# KiCad board modern-keyboard.kicad_pcb (continued)
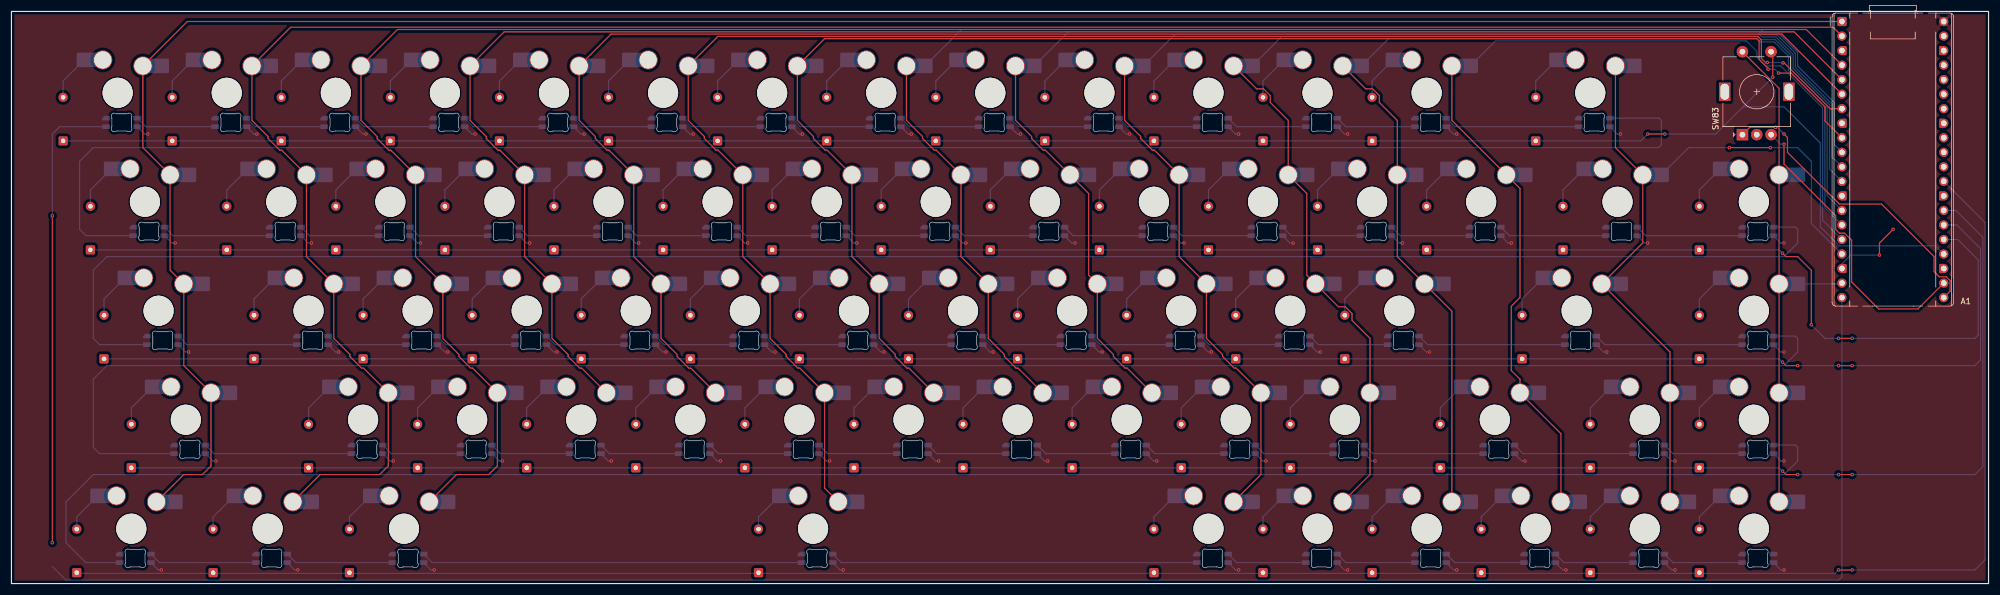
[diagram p0: board, top side]
## Nets
+3V3: A1.37
+5V: A1.40 LED1.1 LED2.1 LED3.1 LED4.1 LED5.1 LED6.1 LED7.1 LED8.1 LED9.1 LED10.1 LED11.1 LED12.1 LED13.1 LED14.1 LED15.1 LED16.1 LED17.1 LED18.1 LED19.1 LED20.1 LED21.1 LED22.1 LED23.1 LED24.1 LED25.1 LED26.1 LED27.1 LED28.1 LED29.1 LED30.1 LED31.1 LED32.1 LED33.1 LED34.1 LED35.1 LED36.1 LED37.1 LED38.1 LED39.1 LED40.1 LED41.1 LED42.1 LED43.1 LED44.1 LED45.1 LED46.1 LED47.1 LED48.1 LED49.1 LED50.1 LED51.1 LED52.1 LED53.1 LED54.1 LED55.1 LED56.1 LED57.1 LED58.1 LED59.1 LED60.1 LED61.1 LED62.1 LED63.1 LED64.1 LED65.1 LED66.1 LED67.1
GND: A1.3 A1.8 A1.13 A1.18 A1.23 A1.28 A1.38 LED1.4 LED2.4 LED3.4 LED4.4 LED5.4 LED6.4 LED7.4 LED8.4 LED9.4 LED10.4 LED11.4 LED12.4 LED13.4 LED14.4 LED15.4 LED16.4 LED17.4 LED18.4 LED19.4 LED20.4 LED21.4 LED22.4 LED23.4 LED24.4 LED25.4 LED26.4 LED27.4 LED28.4 LED29.4 LED30.4 LED31.4 LED32.4 LED33.4 LED34.4 LED35.4 LED36.4 LED37.4 LED38.4 LED39.4 LED40.4 LED41.4 LED42.4 LED43.4 LED44.4 LED45.4 LED46.4 LED47.4 LED48.4 LED49.4 LED50.4 LED51.4 LED52.4 LED53.4 LED54.4 LED55.4 LED56.4 LED57.4 LED58.4 LED59.4 LED60.4 LED61.4 LED62.4 LED63.4 LED64.4 LED65.4 LED66.4 LED67.4 SW83.C
Col 0: A1.1 SW1.1 SW15.1 SW30.1 SW44.1 SW58.1
Col 1: A1.2 SW2.1 SW16.1 SW31.1 SW45.1 SW59.1
Col 2: A1.4 SW3.1 SW17.1 SW32.1 SW46.1 SW60.1
Col 3: A1.5 SW4.1 SW18.1 SW33.1 SW47.1
Col 4: A1.6 SW5.1 SW19.1 SW34.1 SW48.1
Col 5: A1.7 SW6.1 SW20.1 SW35.1 SW49.1 SW61.1
Col 6: A1.9 SW7.1 SW21.1 SW36.1 SW50.1
Col 7: A1.10 SW8.1 SW22.1 SW37.1 SW51.1
Col 8: A1.11 SW9.1 SW23.1 SW38.1 SW52.1
Col 9: A1.12 SW10.1 SW24.1 SW39.1 SW53.1 SW62.1
Col 10: A1.14 SW11.1 SW25.1 SW40.1 SW54.1 SW63.1
Col 11: A1.15 SW12.1 SW26.1 SW41.1 SW64.1
Col 12: A1.16 SW13.1 SW27.1 SW55.1 SW65.1
Col 13: A1.17 SW14.1 SW28.1 SW42.1 SW56.1 SW66.1
Col 14: A1.19 SW29.1 SW43.1 SW57.1 SW67.1 SW83.S2
EC1A: A1.21 SW83.A
EC1B: A1.22 SW83.B
RGB: A1.20 LED1.3
Row 0: A1.24 D1.1 D2.1 D3.1 D4.1 D5.1 D6.1 D7.1 D8.1 D9.1 D10.1 D11.1 D12.1 D13.1 D14.1 SW83.S1
Row 1: A1.25 D15.1 D16.1 D17.1 D18.1 D19.1 D20.1 D21.1 D22.1 D23.1 D24.1 D25.1 D26.1 D27.1 D28.1 D29.1
Row 2: A1.26 D30.1 D31.1 D32.1 D33.1 D34.1 D35.1 D36.1 D37.1 D38.1 D39.1 D40.1 D41.1 D42.1 D43.1
Row 3: A1.27 D44.1 D45.1 D46.1 D47.1 D48.1 D49.1 D50.1 D51.1 D52.1 D53.1 D54.1 D55.1 D56.1 D57.1
Row 4: A1.29 D58.1 D59.1 D60.1 D61.1 D62.1 D63.1 D64.1 D65.1 D66.1 D67.1
Net-(D1-A): D1.2 SW1.2
Net-(D2-A): D2.2 SW2.2
Net-(D3-A): D3.2 SW3.2
Net-(D4-A): D4.2 SW4.2
Net-(D5-A): D5.2 SW5.2
Net-(D6-A): D6.2 SW6.2
Net-(D7-A): D7.2 SW7.2
Net-(D8-A): D8.2 SW8.2
Net-(D9-A): D9.2 SW9.2
Net-(D10-A): D10.2 SW10.2
Net-(D11-A): D11.2 SW11.2
Net-(D12-A): D12.2 SW12.2
Net-(D13-A): D13.2 SW13.2
Net-(D14-A): D14.2 SW14.2
Net-(D15-A): D15.2 SW15.2
Net-(D16-A): D16.2 SW16.2
Net-(D17-A): D17.2 SW17.2
Net-(D18-A): D18.2 SW18.2
Net-(D19-A): D19.2 SW19.2
Net-(D20-A): D20.2 SW20.2
Net-(D21-A): D21.2 SW21.2
Net-(D22-A): D22.2 SW22.2
Net-(D23-A): D23.2 SW23.2
Net-(D24-A): D24.2 SW24.2
Net-(D25-A): D25.2 SW25.2
Net-(D26-A): D26.2 SW26.2
Net-(D27-A): D27.2 SW27.2
Net-(D28-A): D28.2 SW28.2
Net-(D29-A): D29.2 SW29.2
Net-(D30-A): D30.2 SW30.2
Net-(D31-A): D31.2 SW31.2
Net-(D32-A): D32.2 SW32.2
Net-(D33-A): D33.2 SW33.2
Net-(D34-A): D34.2 SW34.2
Net-(D35-A): D35.2 SW35.2
Net-(D36-A): D36.2 SW36.2
Net-(D37-A): D37.2 SW37.2
Net-(D38-A): D38.2 SW38.2
Net-(D39-A): D39.2 SW39.2
Net-(D40-A): D40.2 SW40.2
Net-(D41-A): D41.2 SW41.2
Net-(D42-A): D42.2 SW42.2
Net-(D43-A): D43.2 SW43.2
Net-(D44-A): D44.2 SW44.2
Net-(D45-A): D45.2 SW45.2
Net-(D46-A): D46.2 SW46.2
Net-(D47-A): D47.2 SW47.2
Net-(D48-A): D48.2 SW48.2
Net-(D49-A): D49.2 SW49.2
Net-(D50-A): D50.2 SW50.2
Net-(D51-A): D51.2 SW51.2
Net-(D52-A): D52.2 SW52.2
Net-(D53-A): D53.2 SW53.2
Net-(D54-A): D54.2 SW54.2
Net-(D55-A): D55.2 SW55.2
Net-(D56-A): D56.2 SW56.2
Net-(D57-A): D57.2 SW57.2
Net-(D58-A): D58.2 SW58.2
Net-(D59-A): D59.2 SW59.2
Net-(D60-A): D60.2 SW60.2
Net-(D61-A): D61.2 SW61.2
Net-(D62-A): D62.2 SW62.2
Net-(D63-A): D63.2 SW63.2
Net-(D64-A): D64.2 SW64.2
Net-(D65-A): D65.2 SW65.2
Net-(D66-A): D66.2 SW66.2
Net-(D67-A): D67.2 SW67.2
Net-(LED1-DOUT): LED1.2 LED2.3
Net-(LED2-DOUT): LED2.2 LED3.3
Net-(LED3-DOUT): LED3.2 LED4.3
Net-(LED4-DOUT): LED4.2 LED5.3
Net-(LED5-DOUT): LED5.2 LED6.3
Net-(LED6-DOUT): LED6.2 LED7.3
Net-(LED7-DOUT): LED7.2 LED8.3
Net-(LED8-DOUT): LED8.2 LED9.3
Net-(LED10-DIN): LED9.2 LED10.3
Net-(LED10-DOUT): LED10.2 LED11.3
Net-(LED11-DOUT): LED11.2 LED12.3
Net-(LED12-DOUT): LED12.2 LED13.3
Net-(LED13-DOUT): LED13.2 LED14.3
Net-(LED14-DOUT): LED14.2 LED15.3
Net-(LED15-DOUT): LED15.2 LED16.3
Net-(LED16-DOUT): LED16.2 LED17.3
Net-(LED17-DOUT): LED17.2 LED18.3
Net-(LED18-DOUT): LED18.2 LED19.3
Net-(LED19-DOUT): LED19.2 LED20.3
Net-(LED20-DOUT): LED20.2 LED21.3
Net-(LED21-DOUT): LED21.2 LED22.3
Net-(LED22-DOUT): LED22.2 LED23.3
Net-(LED23-DOUT): LED23.2 LED24.3
Net-(LED24-DOUT): LED24.2 LED25.3
Net-(LED25-DOUT): LED25.2 LED26.3
Net-(LED26-DOUT): LED26.2 LED27.3
Net-(LED27-DOUT): LED27.2 LED28.3
Net-(LED28-DOUT): LED28.2 LED29.3
Net-(LED29-DOUT): LED29.2 LED30.3
Net-(LED30-DOUT): LED30.2 LED31.3
Net-(LED31-DOUT): LED31.2 LED32.3
Net-(LED32-DOUT): LED32.2 LED33.3
Net-(LED33-DOUT): LED33.2 LED34.3
Net-(LED34-DOUT): LED34.2 LED35.3
Net-(LED35-DOUT): LED35.2 LED36.3
Net-(LED36-DOUT): LED36.2 LED37.3
Net-(LED37-DOUT): LED37.2 LED38.3
Net-(LED38-DOUT): LED38.2 LED39.3
Net-(LED39-DOUT): LED39.2 LED40.3
Net-(LED40-DOUT): LED40.2 LED41.3
Net-(LED41-DOUT): LED41.2 LED42.3
Net-(LED42-DOUT): LED42.2 LED43.3
Net-(LED43-DOUT): LED43.2 LED44.3
Net-(LED44-DOUT): LED44.2 LED45.3
Net-(LED45-DOUT): LED45.2 LED46.3
Net-(LED46-DOUT): LED46.2 LED47.3
Net-(LED47-DOUT): LED47.2 LED48.3
Net-(LED48-DOUT): LED48.2 LED49.3
Net-(LED49-DOUT): LED49.2 LED50.3
Net-(LED50-DOUT): LED50.2 LED51.3
Net-(LED51-DOUT): LED51.2 LED52.3
Net-(LED52-DOUT): LED52.2 LED53.3
Net-(LED53-DOUT): LED53.2 LED54.3
Net-(LED54-DOUT): LED54.2 LED55.3
Net-(LED55-DOUT): LED55.2 LED56.3
Net-(LED56-DOUT): LED56.2 LED57.3
Net-(LED57-DOUT): LED57.2 LED58.3
Net-(LED58-DOUT): LED58.2 LED59.3
Net-(LED59-DOUT): LED59.2 LED60.3
Net-(LED60-DOUT): LED60.2 LED61.3
Net-(LED61-DOUT): LED61.2 LED62.3
Net-(LED62-DOUT): LED62.2 LED63.3
Net-(LED63-DOUT): LED63.2 LED64.3
Net-(LED64-DOUT): LED64.2 LED65.3
Net-(LED65-DOUT): LED65.2 LED66.3
Net-(LED66-DOUT): LED66.2 LED67.3

Pads without a net: A1 30 31 32 33 34 35 36 39; LED67 2; SW83 MP

## Via types
v1: diameter 0.6, hole 0.3, Top to Bottom, 97 vias

## Routing (per net, layer and track width the routed paths; a pad name or vN(x,y) marks a point on that pad's centre or on a via; arc(x,y) is an arc through that point)
+5V: length 159.1
  Bottom w0.2: v1(223.84,59.53) 223.27,59.53 LED25.1 ; LED37.1 170.89,40.48 v1(171.45,40.48) ; LED17.1 70.87,59.53 v1(71.44,59.53) ; LED22.1 166.12,59.53 v1(166.69,59.53) ; v1(128.59,59.53) 128.02,59.53 LED20.1 ; v1(157.16,78.58) 156.6,78.58 LED8.1 ; LED47.1 104.21,21.43 v1(104.77,21.43) ; v1(252.41,2.38) 251.85,2.38 LED64.1 ; LED16.1 51.82,59.53 v1(52.39,59.53) ; v1(290.51,2.38) 289.95,2.38 LED66.1 ; LED2.1 42.3,78.58 v1(42.86,78.58) ; v1(57.15,40.48) 56.59,40.48 LED31.1 ; v1(109.54,59.53) 108.97,59.53 LED19.1 ; v1(180.97,21.43) 180.41,21.43 179.13,22.71 ; v1(142.88,21.43) 142.31,21.43 LED49.1 ; v1(119.06,78.58) 118.5,78.58 LED6.1 ; v1(195.26,78.58) 194.7,78.58 LED10.1 ; v1(85.73,21.43) 85.16,21.43 LED46.1 ; v1(28.58,59.53) 28.01,59.53 LED15.1 ; LED1.1 23.25,78.58 v1(23.81,78.58) ; LED56.1 289.95,21.43 v1(290.51,21.43) ; LED21.1 147.07,59.53 v1(147.64,59.53) ; v1(247.65,40.48) 247.09,40.48 LED41.1 ; v1(123.83,21.43) 123.26,21.43 LED48.1 ; LED30.1 30.39,40.48 v1(30.96,40.48) ; LED45.1 66.11,21.43 v1(66.67,21.43) ; v1(161.93,21.43) 161.36,21.43 LED50.1 ; LED38.1 189.94,40.48 v1(190.5,40.48) ; v1(228.6,40.48) 228.04,40.48 LED40.1 ; v1(152.4,40.48) 151.84,40.48 LED36.1 ; v1(35.72,21.43) 35.16,21.43 LED44.1 ; v1(309.56,59.53) 309,59.53 LED29.1 ; v1(264.32,21.43) 263.75,21.43 LED55.1 ; LED59.1 49.44,2.38 v1(50.01,2.38) ; LED43.1 309,40.48 v1(309.56,40.48) ; v1(90.49,59.53) 89.92,59.53 LED18.1 ; LED52.1 199.46,21.43 v1(200.02,21.43) ; v1(214.31,2.38) 213.75,2.38 LED62.1 ; LED4.1 80.4,78.58 v1(80.96,78.58) ; v1(114.3,40.48) 113.74,40.48 LED34.1 ; LED13.1 251.85,78.58 v1(252.41,78.58) ; v1(138.11,78.58) 137.55,78.58 LED7.1 ; LED61.1 144.69,2.38 v1(145.26,2.38) ; LED33.1 94.69,40.48 v1(95.25,40.48) ; v1(233.36,78.58) 232.8,78.58 LED12.1 ; LED14.1 280.42,78.58 v1(280.99,78.58) ; v1(76.2,40.48) 75.64,40.48 LED32.1 ; LED28.1 285.19,59.53 v1(285.75,59.53) ; LED57.1 309,21.43 v1(309.56,21.43) ; LED24.1 204.22,59.53 v1(204.79,59.53) ; v1(176.21,78.58) 175.65,78.58 LED9.1 ; v1(271.46,2.38) 270.9,2.38 LED65.1 ; v1(185.74,59.53) 185.17,59.53 LED23.1 ; LED11.1 213.75,78.58 v1(214.31,78.58) ; LED60.1 73.26,2.38 v1(73.82,2.38) ; LED53.1 218.51,21.43 v1(219.07,21.43) ; v1(100.01,78.58) 99.45,78.58 LED5.1 ; LED58.1 25.63,2.38 v1(26.19,2.38) ; LED42.1 278.04,40.48 v1(278.61,40.48) ; v1(133.35,40.48) 132.79,40.48 LED35.1 ; LED63.1 232.8,2.38 v1(233.36,2.38) ; LED3.1 61.35,78.58 v1(61.91,78.58) ; LED27.1 261.37,59.53 v1(261.94,59.53) ; LED67.1 309,2.38 v1(309.56,2.38) ; v1(242.89,59.53) 242.32,59.53 LED26.1 ; LED54.1 237.56,21.43 v1(238.12,21.43) ; LED39.1 208.99,40.48 v1(209.55,40.48)
GND: length 13.5
  Top w0.2: v1(328.61,61.91) 326.23,59.53 v1(326.23,57.42)
  Bottom w0.2: A1.18 319.68,55.87 321.22,57.42 v1(326.23,57.42)
Col 0: length 386.9
  Top w0.2: SW58.1 30.09,19.05 33.34,19.05 34.86,20.57 SW44.1 30.09,38.1 SW30.1 27.71,54.77 SW15.1 22.95,76.2 SW1.1 30.71,98.25 A1.1
Col 1: length 380.6
  Top w0.2: SW59.1 53.91,19.05 64.29,19.05 65.81,20.57 SW45.1 61.48,37.67 61.14,37.67 59.1,39.71 59.1,40.05 56.29,42.86 SW31.1 51.52,57.15 SW16.1 47.19,75.77 46.85,75.77 44.81,77.81 44.81,78.15 42,80.96 SW2.1 48.77,97.25 318.13,97.25 A1.2
Col 2: length 358.5
  Top w0.2: SW60.1 77.72,19.05 83.34,19.05 84.86,20.57 SW46.1 80.53,37.67 80.19,37.67 78.15,39.71 78.15,40.05 75.34,42.86 SW32.1 70.57,57.15 SW17.1 66.24,75.77 65.9,75.77 63.86,77.81 63.86,78.15 61.05,80.96 SW3.1 67.42,96.85 313.45,96.85 A1.4
Col 3: length 312.9
  Top w0.2: A1.5 311.31,96.45 86.06,96.45 SW4.1 80.1,80.96 82.91,78.15 82.91,77.81 84.95,75.77 85.29,75.77 SW18.1 89.62,57.15 SW33.1 94.39,42.86 97.2,40.05 97.2,39.71 99.24,37.67 99.58,37.67 SW47.1
Col 4: length 294.6
  Top w0.2: A1.6 309.17,96.05 104.71,96.05 SW5.1 99.15,80.96 101.96,78.15 101.96,77.81 104,75.77 104.34,75.77 SW19.1 108.67,57.15 SW34.1 113.44,42.86 116.25,40.05 116.25,39.71 118.29,37.67 118.63,37.67 SW48.1
Col 5: length 298.3
  Top w0.2: v1(309.39,91.01) 309.6,91.01 317.61,83.01 A1.7 ; v1(306.65,91.09) 306.61,91.04 306.61,91.01 306.39,91.01 305.61,91.79 305.61,95 304.97,95.65 123.36,95.65 SW6.1 118.2,80.96 121.01,78.15 121.01,77.81 123.05,75.77 123.39,75.77 SW20.1 127.72,57.15 SW35.1 132.49,42.86 135.3,40.05 135.3,39.71 137.34,37.67 137.68,37.67 SW49.1 142.01,16.67 SW61.1
  Bottom w0.2: v1(306.65,91.09) 309.32,91.09 v1(309.39,91.01)
Col 6: length 262.4
  Top w0.2: A1.9 316.71,80.9 316.71,83.34 310.82,89.23 v1(308.61,89.23) ; SW50.1 156.73,37.67 156.39,37.67 154.35,39.71 154.35,40.05 151.54,42.86 SW36.1 146.77,57.15 SW21.1 142.44,75.77 142.1,75.77 140.06,77.81 140.06,78.15 137.25,80.96 SW7.1 142.01,95.25 304.8,95.25 305.21,94.84 305.21,91.62 306.78,90.06 v1(306.78,89.89)
  Bottom w0.2: v1(306.78,89.89) 307.95,89.89 v1(308.61,89.23)
Col 7: length 244.8
  Top w0.2: SW51.1 175.78,37.67 175.44,37.67 173.4,39.71 173.4,40.05 170.59,42.86 SW37.1 165.82,57.15 SW22.1 161.49,75.77 161.15,75.77 159.11,77.81 159.11,78.15 156.3,80.96 SW8.1
  Bottom w0.2: SW8.1 165.91,96.85 305.58,96.85 306.07,96.36 308.45,96.36 311.94,92.87 311.94,90.49 318.31,84.12 318.31,76.75 A1.10
Col 8: length 227.6
  Top w0.2: SW9.1 175.35,80.96 178.16,78.15 178.16,77.81 180.2,75.77 180.54,75.77 SW23.1 188.12,68.19 188.12,53.9 SW38.1 189.64,42.86 192.45,40.05 192.45,39.71 194.49,37.67 194.83,37.67 199.16,33.34
  Bottom w0.2: SW9.1 184.56,96.45 305.3,96.45 305.39,96.36 305.5,96.36 305.9,95.96 308.29,95.96 311.54,92.7 311.54,90.21 317.91,83.84 317.91,74.62 A1.11
Col 9: length 231.5
  Top w0.2: SW62.1 218.21,19.05 SW53.1 213.88,37.67 213.54,37.67 211.5,39.71 211.5,40.05 208.69,42.86 SW39.1 203.92,57.15 SW24.1 199.59,75.77 199.25,75.77 197.21,77.81 197.21,78.15 194.4,80.96 SW10.1
  Bottom w0.2: A1.12 317.51,72.48 317.51,83.68 311.14,90.04 311.14,92.54 308.12,95.56 305.74,95.56 305.34,95.96 305.22,95.96 305.13,96.05 203.21,96.05 SW10.1
Col 10: length 217.8
  Top w0.2: SW63.1 237.26,19.05 SW54.1 237.26,42.86 234.12,46 234.12,47.2 232.94,48.38 231.74,48.38 SW40.1 226.22,53.9 226.22,68.19 SW25.1 222.97,80.96 219.83,84.1 219.83,85.3 218.65,86.48 217.45,86.48 SW11.1
  Bottom w0.2: A1.14 317.11,67.8 317.11,83.51 310.74,89.88 310.74,92.37 308.02,95.09 305.53,95.09 304.97,95.65 221.86,95.65 SW11.1
Col 11: length 196
  Top w0.2: SW64.1 251.55,47.62 SW41.1 242.02,57.15 SW26.1 242.02,80.96 238.88,84.1 238.88,85.3 237.7,86.48 236.5,86.48 SW12.1
  Bottom w0.2: A1.15 316.71,65.66 316.71,83.34 310.34,89.71 310.34,92.2 307.85,94.69 305.36,94.69 304.8,95.25 240.51,95.25 SW12.1
Col 12: length 178.5
  Top w0.2: SW13.1 251.55,80.96 SW27.1 263.45,69.06 263.45,50.01 261.94,48.49 261.94,37.24 263.45,35.72 SW55.1 270.6,26.19 SW65.1
  Bottom w0.2: SW13.1 259.16,94.85 302.99,94.85 304.8,93.04 304.8,92.06 306.37,90.49 309,90.49 316.31,83.18 316.31,63.52 A1.16
Col 13: length 133.6
  Top w0.2: SW66.1 SW56.1 289.65,40.48 SW42.1 284.89,59.53 SW28.1 280.12,76.2 SW14.1 ; v1(300.04,76.2) v1(307.18,76.2)
  Bottom w0.2: A1.17 314.32,62.96 314.32,73.82 311.94,76.2 v1(307.18,76.2) ; SW28.1 292.89,76.2 v1(300.04,76.2)
Col 14: length 89.1
  Top w0.2: SW83.S2 308.7,86.58 SW29.1 SW43.1 SW57.1 SW67.1
  Bottom w0.2: SW43.1 319.53,52.39 A1.19
EC1A: length 54.4
  Top w0.2: A1.21 338.56,51.09 338.56,52.98 337.91,53.63 336.66,53.63 335.77,54.52 335.77,57.16 326.6,66.33 319.22,66.33 310.16,75.39 310.16,77.98 v1(309.56,78.58) ; SW83.A 303.6,79.78 308.07,79.78 v1(308.1,79.74)
  Bottom w0.2: v1(308.1,79.74) 308.4,79.74 v1(309.56,78.58)
EC1B: length 52.4
  Top w0.2: v1(309.56,76.8) 309.56,73.33 318.58,64.32 318.58,61.89 319.22,61.25 320.13,61.25 321.37,60.02 321.37,52.74 326.08,48.02 332.95,48.02 A1.22
  Bottom w0.2: SW83.B 308.97,76.8 v1(309.56,76.8)
RGB: length 443.9
  Top w0.2: v1(7.14,7.14) v1(7.14,64.29)
  Bottom w0.2: LED1.3 8.42,79.86 7.14,78.58 v1(7.14,64.29) ; A1.20 319.68,1.19 319.09,0.6 9.53,0.6 7.14,2.98
Row 0: length 362
  Top w0.2: SW83.S1 307.6,92.68 v1(307.6,88.52) ; v1(288.73,78.58) v1(285.75,78.58)
  Bottom w0.2: 302.42,83.34 297.66,78.58 v1(288.73,78.58) ; 302.42,83.34 309.56,83.34 315.9,77 315.9,62.36 319.22,59.05 336.02,59.05 A1.24 ; 302.42,83.34 v1(307.6,88.52) ; v1(285.75,78.58) 284.55,77.38 D14.1 D4.1 D3.1 D2.1 D1.1
Row 1: length 363
  Top w0.2: v1(309.3,57.75) 309.9,57.15 311.94,57.15 314.32,54.77 v1(314.32,45.24) ; v1(319.08,42.86) v1(321.47,42.86)
  Bottom w0.2: D15.1 D16.1 D17.1 D18.1 D19.1 D20.1 D21.1 D22.1 D23.1 D24.1 D25.1 D26.1 D27.1 D28.1 D29.1 308.72,58.33 v1(309.3,57.75) ; v1(321.47,42.86) 342.9,42.86 343.48,43.44 343.48,56.57 339.9,60.15 A1.25 ; v1(319.08,42.86) 319.28,42.86 316.71,42.86 v1(314.32,45.24)
Row 2: length 356.2
  Top w0.2: v1(309.3,38.7) 309.9,38.1 v1(311.94,38.1) ; v1(319.08,38.1) v1(321.47,38.1)
  Bottom w0.2: v1(309.3,38.7) 308.72,39.28 D43.1 D42.1 D41.1 D40.1 D39.1 D38.1 D37.1 D36.1 D35.1 D34.1 D33.1 D32.1 D31.1 D30.1 ; v1(311.94,38.1) v1(319.08,38.1) ; A1.26 339.74,62.69 343.88,58.55 343.88,39.08 342.9,38.1 v1(321.47,38.1)
Row 3: length 373.3
  Top w0.2: v1(311.94,19.05) 309.9,19.05 v1(309.3,19.65) ; v1(319.08,19.05) v1(321.47,19.05)
  Bottom w0.2: v1(309.3,19.65) 308.72,20.23 D57.1 D48.1 D47.1 D46.1 D45.1 D44.1 ; v1(311.94,19.05) v1(319.08,19.05) ; v1(321.47,19.05) 342.9,19.05 344.28,20.43 344.28,60.53 339.58,65.23 A1.27
Row 4: length 403.6
  Top w0.2: v1(319.08,2.38) v1(321.47,2.38)
  Bottom w0.2: D58.1 11.53,1.78 294.65,1.78 D67.1 294.9,1.78 318.48,1.78 v1(319.08,2.38) ; A1.29 344.68,63.08 344.68,4.16 342.9,2.38 v1(321.47,2.38)
Net-(D1-A): length 8.1
  Bottom w0.2: D1.2 9.02,87.86 SW1.2
Net-(D2-A): length 8.1
  Bottom w0.2: D2.2 28.07,87.86 SW2.2
Net-(D3-A): length 8.1
  Bottom w0.2: D3.2 47.12,87.86 SW3.2
Net-(D4-A): length 8.1
  Bottom w0.2: D4.2 66.17,87.86 SW4.2
Net-(D5-A): length 8.1
  Bottom w0.2: SW5.2 85.22,87.86 D5.2
Net-(D6-A): length 8.1
  Bottom w0.2: D6.2 104.27,87.86 SW6.2
Net-(D7-A): length 8.1
  Bottom w0.2: D7.2 123.32,87.86 SW7.2
Net-(D8-A): length 8.1
  Bottom w0.2: SW8.2 142.37,87.86 D8.2
Net-(D9-A): length 8.1
  Bottom w0.2: D9.2 161.42,87.86 SW9.2
Net-(D10-A): length 8.1
  Bottom w0.2: D10.2 180.47,87.86 SW10.2
Net-(D11-A): length 8.1
  Bottom w0.2: SW11.2 199.52,87.86 D11.2
Net-(D12-A): length 8.1
  Bottom w0.2: D12.2 218.57,87.86 SW12.2
Net-(D13-A): length 8.1
  Bottom w0.2: SW13.2 237.62,87.86 D13.2
Net-(D14-A): length 8.1
  Bottom w0.2: D14.2 266.2,87.86 SW14.2
Net-(D15-A): length 8.1
  Bottom w0.2: D15.2 13.79,68.81 SW15.2
Net-(D16-A): length 8.1
  Bottom w0.2: SW16.2 37.6,68.81 D16.2
Net-(D17-A): length 8.1
  Bottom w0.2: SW17.2 56.65,68.81 D17.2
Net-(D18-A): length 8.1
  Bottom w0.2: D18.2 75.7,68.81 SW18.2
Net-(D19-A): length 8.1
  Bottom w0.2: D19.2 94.75,68.81 SW19.2
Net-(D20-A): length 8.1
  Bottom w0.2: D20.2 113.8,68.81 SW20.2
Net-(D21-A): length 8.1
  Bottom w0.2: D21.2 132.85,68.81 SW21.2
Net-(D22-A): length 8.1
  Bottom w0.2: SW22.2 151.9,68.81 D22.2
Net-(D23-A): length 8.1
  Bottom w0.2: SW23.2 170.95,68.81 D23.2
Net-(D24-A): length 8.1
  Bottom w0.2: D24.2 190,68.81 SW24.2
Net-(D25-A): length 8.1
  Bottom w0.2: D25.2 209.05,68.81 SW25.2
Net-(D26-A): length 8.1
  Bottom w0.2: SW26.2 228.1,68.81 D26.2
Net-(D27-A): length 8.1
  Bottom w0.2: SW27.2 247.15,68.81 D27.2
Net-(D28-A): length 8.1
  Bottom w0.2: 274.64,72.49 270.96,68.81 D28.2
Net-(D29-A): length 8.1
  Bottom w0.2: SW29.2 294.77,68.81 D29.2
Net-(D30-A): length 8.1
  Bottom w0.2: D30.2 16.17,49.76 SW30.2
Net-(D31-A): length 8.1
  Bottom w0.2: D31.2 42.36,49.76 SW31.2
Net-(D32-A): length 8.1
  Bottom w0.2: SW32.2 61.41,49.76 D32.2
Net-(D33-A): length 8.1
  Bottom w0.2: SW33.2 80.46,49.76 D33.2
Net-(D34-A): length 8.1
  Bottom w0.2: SW34.2 99.51,49.76 D34.2
Net-(D35-A): length 8.1
  Bottom w0.2: D35.2 118.56,49.76 SW35.2
Net-(D36-A): length 8.1
  Bottom w0.2: D36.2 137.61,49.76 SW36.2
Net-(D37-A): length 8.1
  Bottom w0.2: 160.34,53.44 156.66,49.76 D37.2
Net-(D38-A): length 8.1
  Bottom w0.2: SW38.2 175.71,49.76 D38.2
Net-(D39-A): length 8.1
  Bottom w0.2: D39.2 194.76,49.76 SW39.2
Net-(D40-A): length 8.1
  Bottom w0.2: D40.2 213.81,49.76 SW40.2
Net-(D41-A): length 8.1
  Bottom w0.2: D41.2 232.86,49.76 236.54,53.44
Net-(D42-A): length 8.1
  Bottom w0.2: SW42.2 263.82,49.76 D42.2
Net-(D43-A): length 8.1
  Bottom w0.2: D43.2 294.77,49.76 SW43.2
Net-(D44-A): length 8.1
  Bottom w0.2: SW44.2 20.93,30.71 D44.2
Net-(D45-A): length 8.1
  Bottom w0.2: D45.2 51.89,30.71 SW45.2
Net-(D46-A): length 8.1
  Bottom w0.2: SW46.2 70.94,30.71 D46.2
Net-(D47-A): length 8.1
  Bottom w0.2: SW47.2 89.99,30.71 D47.2
Net-(D48-A): length 8.1
  Bottom w0.2: SW48.2 109.04,30.71 D48.2
Net-(D49-A): length 8.1
  Bottom w0.2: D49.2 128.09,30.71 SW49.2
Net-(D50-A): length 8.1
  Bottom w0.2: SW50.2 147.14,30.71 D50.2
Net-(D51-A): length 8.1
  Bottom w0.2: D51.2 166.19,30.71 SW51.2
Net-(D52-A): length 8.1
  Bottom w0.2: SW52.2 185.24,30.71 D52.2
Net-(D53-A): length 8.1
  Bottom w0.2: D53.2 204.29,30.71 SW53.2
Net-(D54-A): length 8.1
  Bottom w0.2: SW54.2 223.34,30.71 D54.2
Net-(D55-A): length 8.1
  Bottom w0.2: D55.2 249.53,30.71 SW55.2
Net-(D56-A): length 8.1
  Bottom w0.2: D56.2 275.72,30.71 SW56.2
Net-(D57-A): length 8.1
  Bottom w0.2: SW57.2 294.77,30.71 D57.2
Net-(D58-A): length 7.3
  Bottom w0.2: D58.2 11.41,11.66 SW58.2
Net-(D59-A): length 7.3
  Bottom w0.2: D59.2 35.22,11.66 SW59.2
Net-(D60-A): length 7.3
  Bottom w0.2: D60.2 59.03,11.66 SW60.2
Net-(D61-A): length 7.3
  Bottom w0.2: SW61.2 130.47,11.66 D61.2
Net-(D62-A): length 7.3
  Bottom w0.2: SW62.2 199.52,11.66 D62.2
Net-(D63-A): length 7.3
  Bottom w0.2: SW63.2 218.57,11.66 D63.2
Net-(D64-A): length 7.3
  Bottom w0.2: SW64.2 237.62,11.66 D64.2
Net-(D65-A): length 7.3
  Bottom w0.2: D65.2 256.67,11.66 SW65.2
Net-(D66-A): length 7.3
  Bottom w0.2: D66.2 275.72,11.66 SW66.2
Net-(D67-A): length 8.1
  Bottom w0.2: 294.77,8.8 294.77,11.66 SW67.2
Net-(LED1-DOUT): length 14.2
  Bottom w0.2: LED2.3 23.47,79.86 LED1.2
Net-(LED2-DOUT): length 14.2
  Bottom w0.2: LED2.2 42.52,79.86 LED3.3
Net-(LED3-DOUT): length 14.2
  Bottom w0.2: LED4.3 61.57,79.86 LED3.2
Net-(LED4-DOUT): length 14.2
  Bottom w0.2: LED4.2 80.62,79.86 LED5.3
Net-(LED5-DOUT): length 14.2
  Bottom w0.2: LED6.3 99.67,79.86 LED5.2
Net-(LED6-DOUT): length 14.2
  Bottom w0.2: LED6.2 118.72,79.86 LED7.3
Net-(LED7-DOUT): length 14.2
  Bottom w0.2: LED7.2 137.77,79.86 LED8.3
Net-(LED8-DOUT): length 14.2
  Bottom w0.2: LED9.3 156.82,79.86 LED8.2
Net-(LED10-DIN): length 14.2
  Bottom w0.2: LED10.3 175.87,79.86 LED9.2
Net-(LED10-DOUT): length 14.2
  Bottom w0.2: LED11.3 194.92,79.86 LED10.2
Net-(LED11-DOUT): length 14.2
  Bottom w0.2: LED11.2 213.97,79.86 LED12.3
Net-(LED12-DOUT): length 14.2
  Bottom w0.2: LED12.2 233.02,79.86 LED13.3
Net-(LED13-DOUT): length 23.7
  Bottom w0.2: LED14.3 252.07,79.86 LED13.2
Net-(LED14-DOUT): length 312.6
  Bottom w0.2: LED15.3 13.01,60.81 11.91,61.91 11.91,73.82 14.29,76.2 287.65,76.2 288.13,76.68 288.13,80.96 287.73,81.36 LED14.2
Net-(LED15-DOUT): length 19
  Bottom w0.2: LED15.2 28.23,60.81 LED16.3
Net-(LED16-DOUT): length 14.2
  Bottom w0.2: LED17.3 52.04,60.81 LED16.2
Net-(LED17-DOUT): length 14.2
  Bottom w0.2: LED17.2 71.09,60.81 LED18.3
Net-(LED18-DOUT): length 14.2
  Bottom w0.2: LED19.3 90.14,60.81 LED18.2
Net-(LED19-DOUT): length 14.2
  Bottom w0.2: LED20.3 109.19,60.81 LED19.2
Net-(LED20-DOUT): length 14.2
  Bottom w0.2: LED21.3 128.24,60.81 LED20.2
Net-(LED21-DOUT): length 14.2
  Bottom w0.2: LED21.2 147.29,60.81 LED22.3
Net-(LED22-DOUT): length 14.2
  Bottom w0.2: LED22.2 166.34,60.81 LED23.3
Net-(LED23-DOUT): length 14.2
  Bottom w0.2: LED23.2 185.39,60.81 LED24.3
Net-(LED24-DOUT): length 14.2
  Bottom w0.2: LED24.2 204.44,60.81 LED25.3
Net-(LED25-DOUT): length 14.2
  Bottom w0.2: LED26.3 223.49,60.81 LED25.2
Net-(LED26-DOUT): length 14.2
  Bottom w0.2: LED26.2 242.54,60.81 LED27.3
Net-(LED27-DOUT): length 19
  Bottom w0.2: LED27.2 261.59,60.81 LED28.3
Net-(LED28-DOUT): length 19
  Bottom w0.2: LED29.3 285.41,60.81 LED28.2
Net-(LED29-DOUT): length 328.1
  Bottom w0.2: LED30.3 15.39,41.76 14.29,42.86 14.29,54.77 16.67,57.15 309.56,57.15 311.94,59.53 311.94,61.91 311.55,62.31 LED29.2
Net-(LED30-DOUT): length 21.4
  Bottom w0.2: LED31.3 30.61,41.76 LED30.2
Net-(LED31-DOUT): length 14.2
  Bottom w0.2: LED31.2 56.81,41.76 LED32.3
Net-(LED32-DOUT): length 14.2
  Bottom w0.2: LED33.3 75.86,41.76 LED32.2
Net-(LED33-DOUT): length 14.2
  Bottom w0.2: LED34.3 94.91,41.76 LED33.2
Net-(LED34-DOUT): length 14.2
  Bottom w0.2: LED35.3 113.96,41.76 LED34.2
Net-(LED35-DOUT): length 14.2
  Bottom w0.2: LED35.2 133.01,41.76 LED36.3
Net-(LED36-DOUT): length 14.2
  Bottom w0.2: LED37.3 152.06,41.76 LED36.2
Net-(LED37-DOUT): length 14.2
  Bottom w0.2: LED37.2 171.11,41.76 LED38.3
Net-(LED38-DOUT): length 14.2
  Bottom w0.2: LED38.2 190.16,41.76 LED39.3
Net-(LED39-DOUT): length 14.2
  Bottom w0.2: LED39.2 209.21,41.76 LED40.3
Net-(LED40-DOUT): length 14.2
  Bottom w0.2: LED40.2 228.26,41.76 LED41.3
Net-(LED41-DOUT): length 26.1
  Bottom w0.2: LED41.2 247.31,41.76 LED42.3
Net-(LED42-DOUT): length 26.1
  Bottom w0.2: LED42.2 278.26,41.76 LED43.3
Net-(LED43-DOUT): length 332.9
  Bottom w0.2: LED43.2 311.55,43.26 311.94,42.86 311.94,40.48 309.56,38.1 16.67,38.1 14.29,35.72 14.29,23.81 15.39,22.71 LED44.3
Net-(LED44-DOUT): length 26.1
  Bottom w0.2: LED44.2 35.38,22.71 LED45.3
Net-(LED45-DOUT): length 14.2
  Bottom w0.2: 78.43,22.71 66.33,22.71 LED45.2
Net-(LED46-DOUT): length 14.2
  Bottom w0.2: LED46.2 85.38,22.71 LED47.3
Net-(LED47-DOUT): length 14.2
  Bottom w0.2: LED48.3 104.43,22.71 LED47.2
Net-(LED48-DOUT): length 14.2
  Bottom w0.2: LED48.2 123.48,22.71 LED49.3
Net-(LED49-DOUT): length 14.2
  Bottom w0.2: LED49.2 142.53,22.71 LED50.3
Net-(LED50-DOUT): length 14.2
  Bottom w0.2: LED51.3 161.58,22.71 LED50.2
Net-(LED51-DOUT): length 14.2
  Bottom w0.2: LED52.3 180.63,22.71 179.13,24.21
Net-(LED52-DOUT): length 14.2
  Bottom w0.2: 211.78,22.71 199.68,22.71 LED52.2
Net-(LED53-DOUT): length 14.2
  Bottom w0.2: LED54.3 218.73,22.71 LED53.2
Net-(LED54-DOUT): length 21.4
  Bottom w0.2: LED54.2 237.78,22.71 LED55.3
Net-(LED55-DOUT): length 21.4
  Bottom w0.2: LED56.3 263.97,22.71 LED55.2
Net-(LED56-DOUT): length 14.2
  Bottom w0.2: LED57.3 290.17,22.71 LED56.2
Net-(LED57-DOUT): length 330.1
  Bottom w0.2: LED58.3 13.01,3.66 9.53,7.14 9.53,14.29 14.29,19.05 309.56,19.05 311.94,21.43 311.94,23.81 311.55,24.21 LED57.2
Net-(LED58-DOUT): length 19
  Bottom w0.2: LED59.3 25.85,3.66 LED58.2
Net-(LED59-DOUT): length 19
  Bottom w0.2: LED60.3 49.66,3.66 LED59.2
Net-(LED60-DOUT): length 66.6
  Bottom w0.2: LED61.3 73.48,3.66 LED60.2
Net-(LED61-DOUT): length 64.2
  Bottom w0.2: LED62.3 144.91,3.66 LED61.2
Net-(LED62-DOUT): length 14.2
  Bottom w0.2: LED63.3 213.97,3.66 LED62.2
Net-(LED63-DOUT): length 14.2
  Bottom w0.2: LED64.3 233.02,3.66 LED63.2
Net-(LED64-DOUT): length 14.2
  Bottom w0.2: LED64.2 252.07,3.66 LED65.3
Net-(LED65-DOUT): length 14.2
  Bottom w0.2: LED66.3 271.12,3.66 LED65.2
Net-(LED66-DOUT): length 14.2
  Bottom w0.2: LED67.3 290.17,3.66 LED66.2

## Copper pours and planes (outline as drawn; the poured copper is in the pictures)
+5V on Top: -7.14,107.16 352.43,107.16 352.43,-7.14 -7.14,-4.76
GND on Bottom: -9.52,109.54 354.81,109.54 354.81,-9.53 -9.52,-7.14
